# KiCad board panel.kicad_pcb (continued)
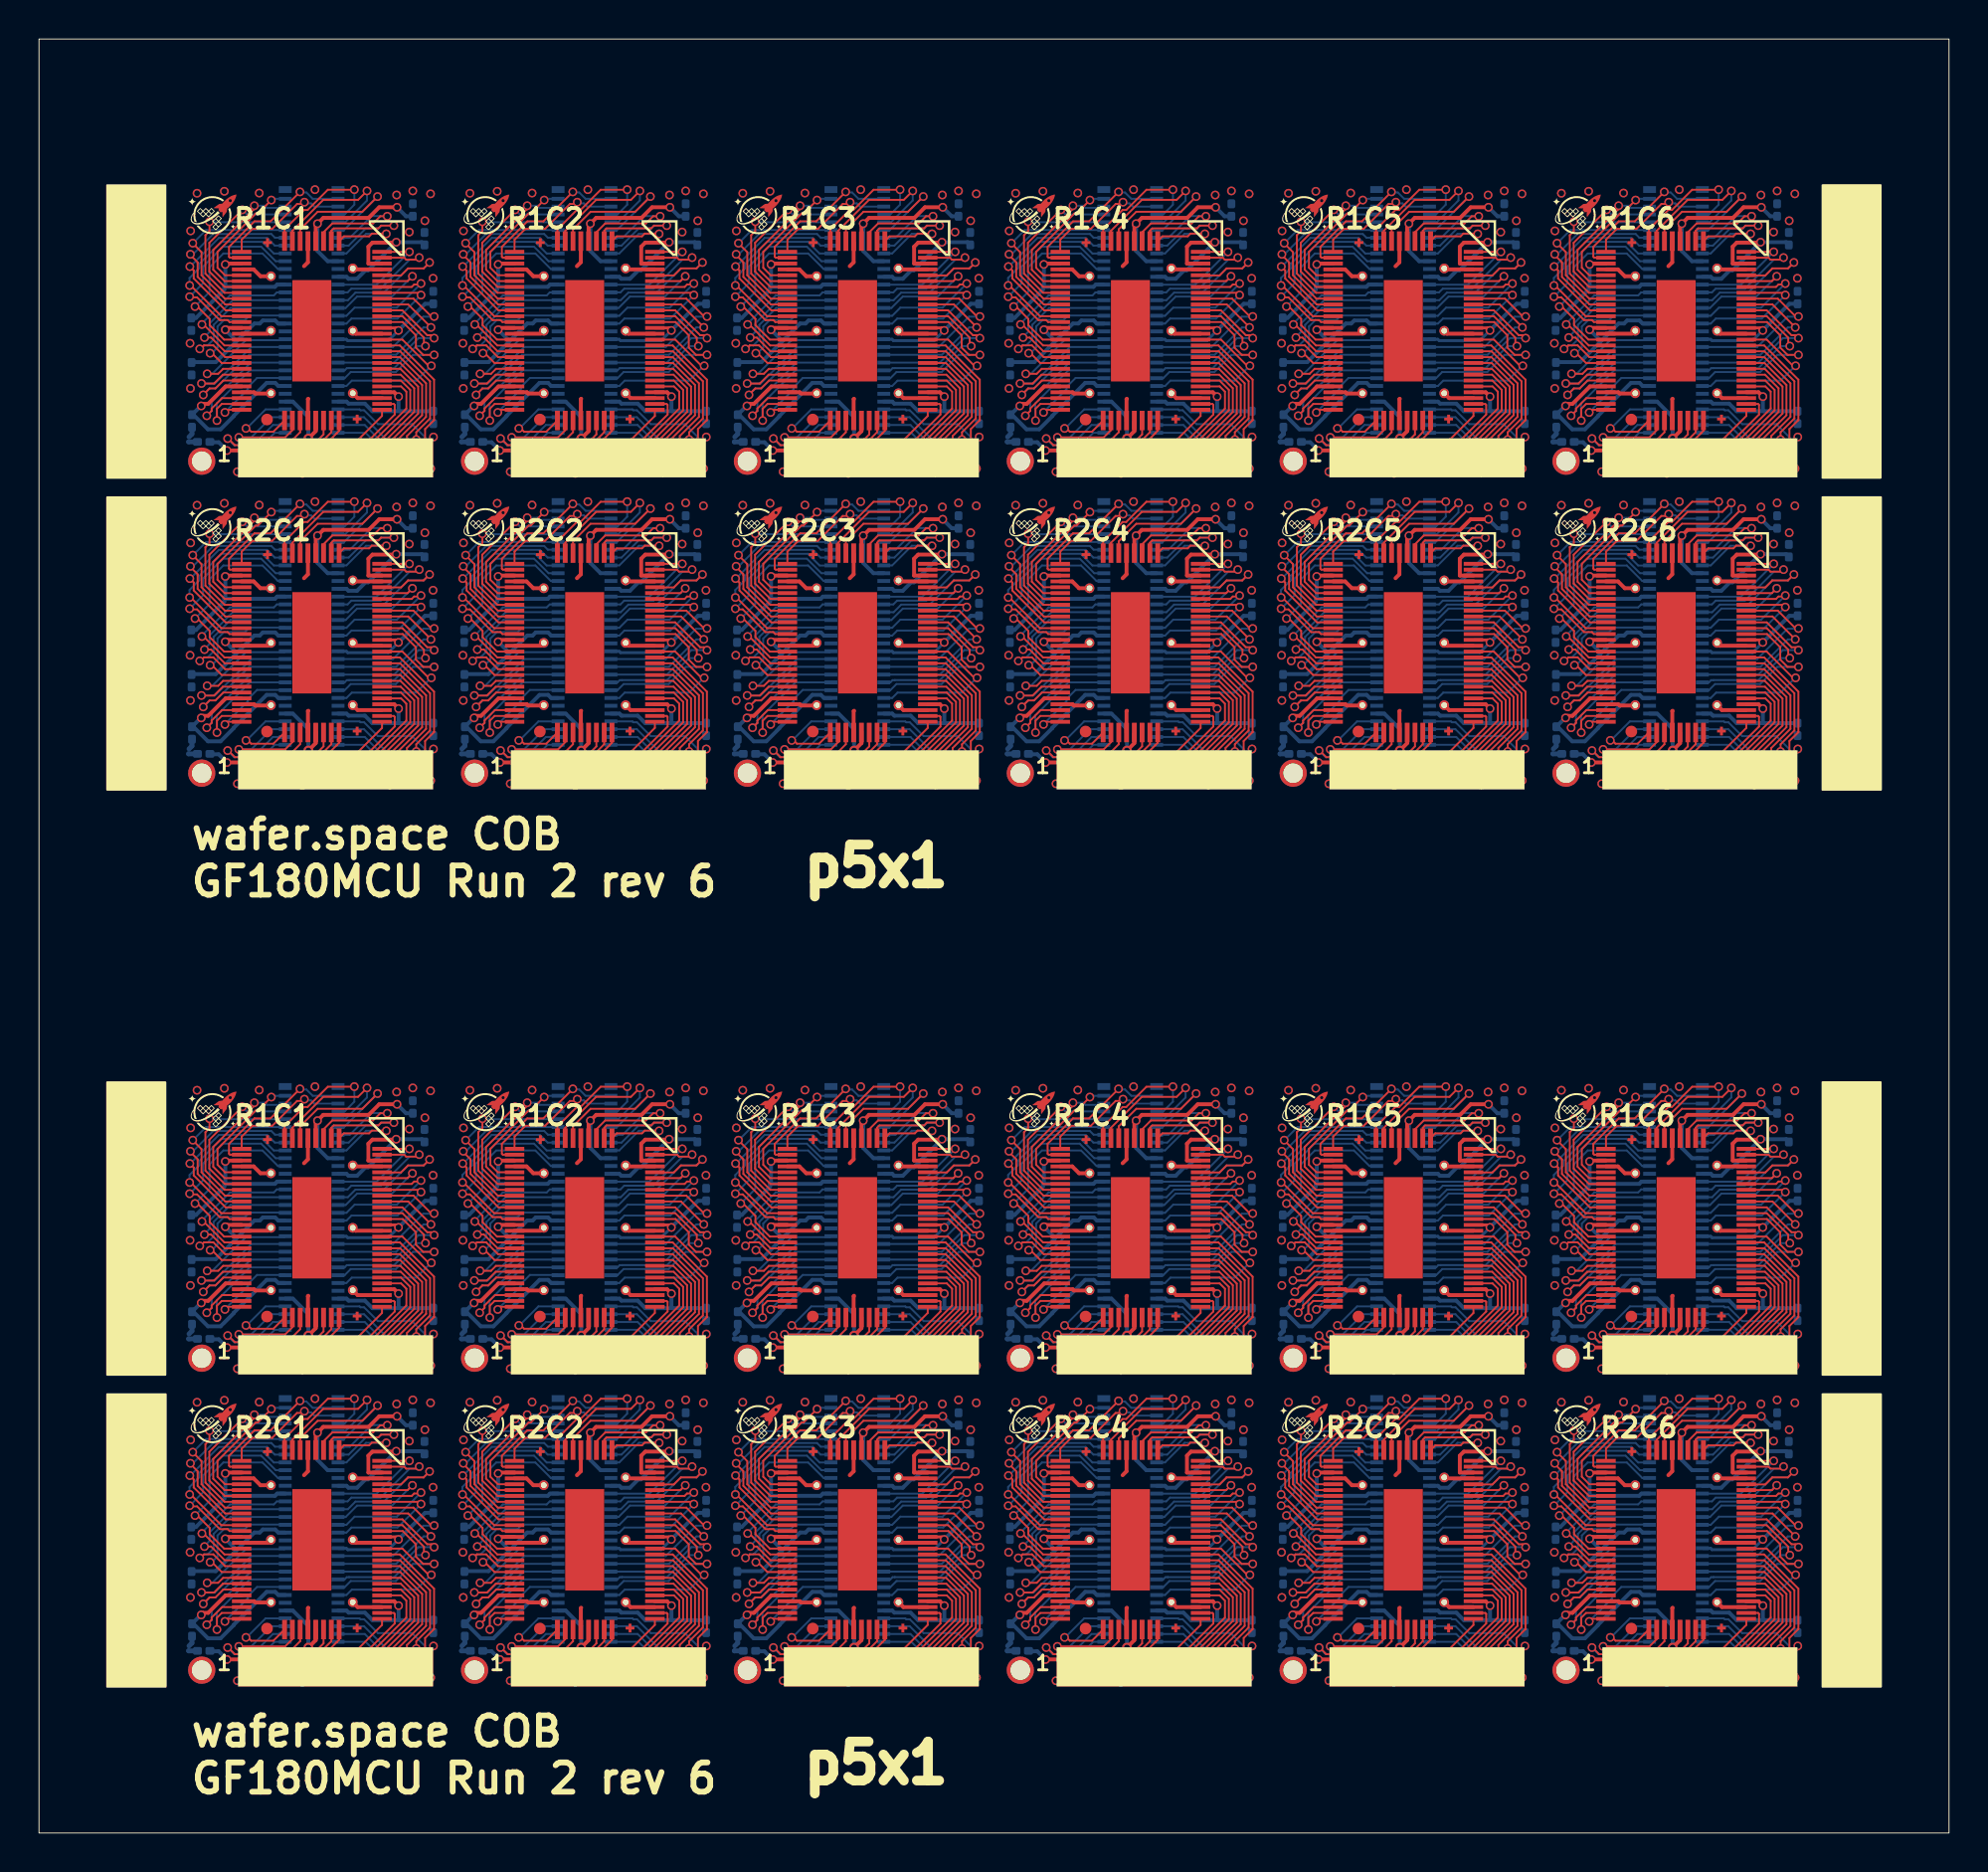
[diagram p0: board, top side]
## Routing (per net, layer and track width the routed paths; a pad name or vN(x,y) marks a point on that pad's centre or on a via; arc(x,y) is an arc through that point) (continued)
/an_0: length 131.4
  Top w0.1: v1(87.82,36.01) 87.81,36.02 87.08,36.02 86.94,35.88 85.64,35.88 U112.37 ; v1(31.82,36.01) 31.81,36.02 31.08,36.02 30.94,35.88 29.64,35.88 U104#2.37 ; U108.37 57.64,35.88 58.94,35.88 59.08,36.02 59.81,36.02 v1(59.82,36.01) ; U120#2.37 57.64,65.88 58.94,65.88 59.08,66.02 59.81,66.02 v1(59.82,66.01) ; v1(31.82,20.01) 31.81,20.02 31.08,20.02 30.94,19.88 29.64,19.88 U116#2.37 ; U118#2.37 43.64,65.88 44.94,65.88 45.08,66.02 45.81,66.02 v1(45.82,66.01) ; U116.37 29.64,65.88 30.94,65.88 31.08,66.02 31.81,66.02 v1(31.82,66.01) ; v1(59.82,20.01) 59.81,20.02 59.08,20.02 58.94,19.88 57.64,19.88 U120.37 ; U122.37 71.64,65.88 72.94,65.88 73.08,66.02 73.81,66.02 v1(73.82,66.01) ; v1(17.82,36.01) 17.81,36.02 17.08,36.02 16.94,35.88 15.64,35.88 U102#2.37 ; U102.37 15.64,81.88 16.94,81.88 17.08,82.02 17.81,82.02 v1(17.82,82.01) ; U108#2.37 57.64,81.88 58.94,81.88 59.08,82.02 59.81,82.02 v1(59.82,82.01) ; v1(17.82,66.01) 17.81,66.02 17.08,66.02 16.94,65.88 15.64,65.88 U114.37 ; v1(73.82,20.01) 73.81,20.02 73.08,20.02 72.94,19.88 71.64,19.88 U122#2.37 ; v1(17.82,20.01) 17.81,20.02 17.08,20.02 16.94,19.88 15.64,19.88 U114#2.37 ; U104.37 29.64,81.88 30.94,81.88 31.08,82.02 31.81,82.02 v1(31.82,82.01) ; U110#2.37 71.64,35.88 72.94,35.88 73.08,36.02 73.81,36.02 v1(73.82,36.01) ; U124#2.37 85.64,65.88 86.94,65.88 87.08,66.02 87.81,66.02 v1(87.82,66.01) ; U106#2.37 43.64,81.88 44.94,81.88 45.08,82.02 45.81,82.02 v1(45.82,82.01) ; U106.37 43.64,35.88 44.94,35.88 45.08,36.02 45.81,36.02 v1(45.82,36.01) ; v1(73.82,82.01) 73.81,82.02 73.08,82.02 72.94,81.88 71.64,81.88 U110.37 ; U112#2.37 85.64,81.88 86.94,81.88 87.08,82.02 87.81,82.02 v1(87.82,82.01) ; U118.37 43.64,19.88 44.94,19.88 45.08,20.02 45.81,20.02 v1(45.82,20.01) ; v1(87.82,20.01) 87.81,20.02 87.08,20.02 86.94,19.88 85.64,19.88 U124.37
  Bottom w0.1: 29.35,65.01 29.78,65.01 30.78,66.01 31.82,66.01 v1(31.82,66.01) ; v1(31.82,36.01) 31.82,36.01 30.78,36.01 29.78,35.01 29.35,35.01 ; 15.35,81.01 15.78,81.01 16.78,82.01 17.82,82.01 v1(17.82,82.01) ; v1(45.82,20.01) 45.82,20.01 44.78,20.01 43.78,19.01 43.35,19.01 ; 71.35,81.01 71.78,81.01 72.78,82.01 73.82,82.01 v1(73.82,82.01) ; 15.35,35.01 15.78,35.01 16.78,36.01 17.82,36.01 v1(17.82,36.01) ; 15.35,65.01 15.78,65.01 16.78,66.01 17.82,66.01 v1(17.82,66.01) ; 85.35,65.01 85.78,65.01 86.78,66.01 87.82,66.01 v1(87.82,66.01) ; v1(45.82,66.01) 45.82,66.01 44.78,66.01 43.78,65.01 43.35,65.01 ; 57.35,35.01 57.78,35.01 58.78,36.01 59.82,36.01 v1(59.82,36.01) ; v1(45.82,36.01) 45.82,36.01 44.78,36.01 43.78,35.01 43.35,35.01 ; v1(59.82,20.01) 59.82,20.01 58.78,20.01 57.78,19.01 57.35,19.01 ; 29.35,81.01 29.78,81.01 30.78,82.01 31.82,82.01 v1(31.82,82.01) ; 43.35,81.01 43.78,81.01 44.78,82.01 45.82,82.01 v1(45.82,82.01) ; v1(87.82,20.01) 87.82,20.01 86.78,20.01 85.78,19.01 85.35,19.01 ; 57.35,65.01 57.78,65.01 58.78,66.01 59.82,66.01 v1(59.82,66.01) ; v1(73.82,20.01) 73.82,20.01 72.78,20.01 71.78,19.01 71.35,19.01 ; 85.35,35.01 85.78,35.01 86.78,36.01 87.82,36.01 v1(87.82,36.01) ; v1(17.82,20.01) 17.82,20.01 16.78,20.01 15.78,19.01 15.35,19.01 ; 71.35,65.01 71.78,65.01 72.78,66.01 73.82,66.01 v1(73.82,66.01) ; 85.35,81.01 85.78,81.01 86.78,82.01 87.82,82.01 v1(87.82,82.01) ; 29.35,19.01 29.78,19.01 30.78,20.01 31.82,20.01 v1(31.82,20.01) ; 57.35,81.01 57.78,81.01 58.78,82.01 59.82,82.01 v1(59.82,82.01) ; 71.35,35.01 71.78,35.01 72.78,36.01 73.82,36.01 v1(73.82,36.01)
/an_1: length 171.4
  Top w0.1: U102#2.38 15,36.17 15.12,36.29 17.41,36.29 17.55,36.43 v1(18.21,36.43) ; v1(46.21,66.43) 45.55,66.43 45.41,66.29 43.12,66.29 43,66.17 U118#2.38 ; v1(88.21,36.43) 87.55,36.43 87.41,36.29 85.12,36.29 85,36.17 U112.38 ; U124#2.38 85,66.17 85.12,66.29 87.41,66.29 87.55,66.43 v1(88.21,66.43) ; U114#2.38 15,20.17 15.12,20.29 17.41,20.29 17.55,20.43 v1(18.21,20.43) ; v1(32.21,20.43) 31.55,20.43 31.41,20.29 29.12,20.29 29,20.17 U116#2.38 ; U110#2.38 71,36.17 71.12,36.29 73.41,36.29 73.55,36.43 v1(74.21,36.43) ; v1(46.21,36.43) 45.55,36.43 45.41,36.29 43.12,36.29 43,36.17 U106.38 ; v1(60.21,20.43) 59.55,20.43 59.41,20.29 57.12,20.29 57,20.17 U120.38 ; v1(18.21,66.43) 17.55,66.43 17.41,66.29 15.12,66.29 15,66.17 U114.38 ; v1(88.21,82.43) 87.55,82.43 87.41,82.29 85.12,82.29 85,82.17 U112#2.38 ; v1(74.21,66.43) 73.55,66.43 73.41,66.29 71.12,66.29 71,66.17 U122.38 ; U116.38 29,66.17 29.12,66.29 31.41,66.29 31.55,66.43 v1(32.21,66.43) ; U104.38 29,82.17 29.12,82.29 31.41,82.29 31.55,82.43 v1(32.21,82.43) ; v1(88.21,20.43) 87.55,20.43 87.41,20.29 85.12,20.29 85,20.17 U124.38 ; v1(60.21,36.43) 59.55,36.43 59.41,36.29 57.12,36.29 57,36.17 U108.38 ; U118.38 43,20.17 43.12,20.29 45.41,20.29 45.55,20.43 v1(46.21,20.43) ; U104#2.38 29,36.17 29.12,36.29 31.41,36.29 31.55,36.43 v1(32.21,36.43) ; v1(46.21,82.43) 45.55,82.43 45.41,82.29 43.12,82.29 43,82.17 U106#2.38 ; v1(74.21,20.43) 73.55,20.43 73.41,20.29 71.12,20.29 71,20.17 U122#2.38 ; U102.38 15,82.17 15.12,82.29 17.41,82.29 17.55,82.43 v1(18.21,82.43) ; U120#2.38 57,66.17 57.12,66.29 59.41,66.29 59.55,66.43 v1(60.21,66.43) ; v1(60.21,82.43) 59.55,82.43 59.41,82.29 57.12,82.29 57,82.17 U108#2.38 ; U110.38 71,82.17 71.12,82.29 73.41,82.29 73.55,82.43 v1(74.21,82.43)
  Bottom w0.1: v1(32.21,82.43) 31.57,82.43 31.43,82.29 30.77,82.29 29.89,81.4 U103#2.42 ; 29.34,65.4 29.89,65.4 30.77,66.29 31.43,66.29 31.57,66.43 v1(32.21,66.43) ; v1(74.21,36.43) 73.57,36.43 73.43,36.29 72.77,36.29 71.89,35.4 71.35,35.4 ; v1(18.21,20.43) 17.57,20.43 17.43,20.29 16.77,20.29 15.89,19.4 15.34,19.4 ; 29.34,35.4 29.89,35.4 30.77,36.29 31.43,36.29 31.57,36.43 v1(32.21,36.43) ; v1(60.21,20.43) 59.57,20.43 59.43,20.29 58.77,20.29 57.89,19.4 57.34,19.4 ; 57.34,35.4 57.89,35.4 58.77,36.29 59.43,36.29 59.57,36.43 v1(60.21,36.43) ; U105.42 43.89,81.4 44.77,82.29 45.43,82.29 45.57,82.43 v1(46.21,82.43) ; v1(18.21,82.43) 17.57,82.43 17.43,82.29 16.77,82.29 15.89,81.4 U101#2.42 ; v1(18.21,66.43) 17.57,66.43 17.43,66.29 16.77,66.29 15.89,65.4 15.34,65.4 ; 71.35,19.4 71.89,19.4 72.77,20.29 73.43,20.29 73.57,20.43 v1(74.21,20.43) ; 85.35,65.4 85.89,65.4 86.77,66.29 87.43,66.29 87.57,66.43 v1(88.21,66.43) ; v1(46.21,66.43) 45.57,66.43 45.43,66.29 44.77,66.29 43.89,65.4 43.34,65.4 ; U111#2.42 85.89,81.4 86.77,82.29 87.43,82.29 87.57,82.43 v1(88.21,82.43) ; v1(74.21,66.43) 73.57,66.43 73.43,66.29 72.77,66.29 71.89,65.4 71.35,65.4 ; U107#2.42 57.89,81.4 58.77,82.29 59.43,82.29 59.57,82.43 v1(60.21,82.43) ; v1(88.21,36.43) 87.57,36.43 87.43,36.29 86.77,36.29 85.89,35.4 85.35,35.4 ; v1(18.21,36.43) 17.57,36.43 17.43,36.29 16.77,36.29 15.89,35.4 15.34,35.4 ; v1(60.21,66.43) 59.57,66.43 59.43,66.29 58.77,66.29 57.89,65.4 57.34,65.4 ; 71.35,81.4 71.89,81.4 72.77,82.29 73.43,82.29 73.57,82.43 v1(74.21,82.43) ; v1(88.21,20.43) 87.57,20.43 87.43,20.29 86.77,20.29 85.89,19.4 85.35,19.4 ; 43.34,35.4 43.89,35.4 44.77,36.29 45.43,36.29 45.57,36.43 v1(46.21,36.43) ; 29.34,19.4 29.89,19.4 30.77,20.29 31.43,20.29 31.57,20.43 v1(32.21,20.43) ; 43.34,19.4 43.89,19.4 44.77,20.29 45.43,20.29 45.57,20.43 v1(46.21,20.43)
/an_2: length 169.3
  Top w0.1: 56.6,81.63 56.6,82.09 57.05,82.54 59.14,82.54 59.51,82.91 v1(59.87,82.91) ; 42.6,81.63 42.6,82.09 43.05,82.54 45.14,82.54 45.51,82.91 v1(45.87,82.91) ; v1(17.87,82.91) 17.51,82.91 17.14,82.54 15.05,82.54 14.6,82.09 14.6,81.63 ; 28.6,81.63 28.6,82.09 29.05,82.54 31.14,82.54 31.51,82.91 v1(31.87,82.91) ; v1(45.87,20.91) 45.51,20.91 45.14,20.54 43.05,20.54 42.6,20.09 42.6,19.63 ; 70.6,19.63 70.6,20.09 71.05,20.54 73.14,20.54 73.51,20.91 v1(73.87,20.91) ; v1(17.87,20.91) 17.51,20.91 17.14,20.54 15.05,20.54 14.6,20.09 14.6,19.63 ; v1(31.87,36.91) 31.51,36.91 31.14,36.54 29.05,36.54 28.6,36.09 28.6,35.63 ; v1(87.87,82.91) 87.51,82.91 87.14,82.54 85.05,82.54 84.6,82.09 84.6,81.63 ; 56.6,65.63 56.6,66.09 57.05,66.54 59.14,66.54 59.51,66.91 v1(59.87,66.91) ; v1(59.87,36.91) 59.51,36.91 59.14,36.54 57.05,36.54 56.6,36.09 56.6,35.63 ; 14.6,35.63 14.6,36.09 15.05,36.54 17.14,36.54 17.51,36.91 v1(17.87,36.91) ; v1(87.87,20.91) 87.51,20.91 87.14,20.54 85.05,20.54 84.6,20.09 84.6,19.63 ; 42.6,35.63 42.6,36.09 43.05,36.54 45.14,36.54 45.51,36.91 v1(45.87,36.91) ; v1(59.87,20.91) 59.51,20.91 59.14,20.54 57.05,20.54 56.6,20.09 56.6,19.63 ; 28.6,65.63 28.6,66.09 29.05,66.54 31.14,66.54 31.51,66.91 v1(31.87,66.91) ; 84.6,35.63 84.6,36.09 85.05,36.54 87.14,36.54 87.51,36.91 v1(87.87,36.91) ; v1(45.87,66.91) 45.51,66.91 45.14,66.54 43.05,66.54 42.6,66.09 42.6,65.63 ; v1(73.87,82.91) 73.51,82.91 73.14,82.54 71.05,82.54 70.6,82.09 70.6,81.63 ; 28.6,19.63 28.6,20.09 29.05,20.54 31.14,20.54 31.51,20.91 v1(31.87,20.91) ; 70.6,65.63 70.6,66.09 71.05,66.54 73.14,66.54 73.51,66.91 v1(73.87,66.91) ; v1(73.87,36.91) 73.51,36.91 73.14,36.54 71.05,36.54 70.6,36.09 70.6,35.63 ; v1(87.87,66.91) 87.51,66.91 87.14,66.54 85.05,66.54 84.6,66.09 84.6,65.63 ; 14.6,65.63 14.6,66.09 15.05,66.54 17.14,66.54 17.51,66.91 v1(17.87,66.91)
  Bottom w0.1: v1(17.87,36.91) 17.86,36.92 17.06,36.92 15.94,35.81 U101.41 ; 71.35,65.81 71.95,65.81 73.06,66.92 73.86,66.92 v1(73.87,66.91) ; U115.41 29.94,19.81 31.06,20.92 31.86,20.92 v1(31.87,20.91) ; U115#2.41 29.94,65.81 31.06,66.92 31.86,66.92 v1(31.87,66.91) ; U117#2.41 43.94,65.81 45.06,66.92 45.86,66.92 v1(45.87,66.91) ; U123.41 85.95,19.81 87.06,20.92 87.86,20.92 v1(87.87,20.91) ; v1(45.87,36.91) 45.86,36.92 45.06,36.92 43.94,35.81 U105#2.41 ; v1(87.87,82.91) 87.86,82.92 87.06,82.92 85.95,81.81 U111#2.41 ; v1(73.87,36.91) 73.86,36.92 73.06,36.92 71.95,35.81 71.35,35.81 ; U103#2.41 29.94,81.81 31.06,82.92 31.86,82.92 v1(31.87,82.91) ; v1(73.87,20.91) 73.86,20.92 73.06,20.92 71.95,19.81 71.35,19.81 ; U113.41 15.94,19.81 17.06,20.92 17.86,20.92 v1(17.87,20.91) ; U119#2.41 57.94,19.81 59.06,20.92 59.86,20.92 v1(59.87,20.91) ; 71.35,81.81 71.95,81.81 73.06,82.92 73.86,82.92 v1(73.87,82.91) ; v1(17.87,66.91) 17.86,66.92 17.06,66.92 15.94,65.81 U113#2.41 ; U103.41 29.94,35.81 31.06,36.92 31.86,36.92 v1(31.87,36.91) ; U117.41 43.94,19.81 45.06,20.92 45.86,20.92 v1(45.87,20.91) ; v1(59.87,82.91) 59.86,82.92 59.06,82.92 57.94,81.81 U107#2.41 ; v1(17.87,82.91) 17.86,82.92 17.06,82.92 15.94,81.81 U101#2.41 ; v1(87.87,66.91) 87.86,66.92 87.06,66.92 85.95,65.81 U123#2.41 ; v1(45.87,82.91) 45.86,82.92 45.06,82.92 43.94,81.81 U105.41 ; v1(59.87,66.91) 59.86,66.92 59.06,66.92 57.94,65.81 U119.41 ; U111.41 85.95,35.81 87.06,36.92 87.86,36.92 v1(87.87,36.91) ; U107.41 57.94,35.81 59.06,36.92 59.86,36.92 v1(59.87,36.91)
/an_3: length 192.2
  Top w0.1: U122#2.42 69.4,20.24 70.3,21.14 72.59,21.14 v1(73.37,21.92) ; U114#2.42 13.4,20.24 14.3,21.14 16.59,21.14 v1(17.37,21.92) ; v1(59.37,83.92) 58.59,83.14 56.3,83.14 55.4,82.24 U108#2.42 ; v1(17.37,67.92) 16.59,67.14 14.3,67.14 13.4,66.24 U114.42 ; U112.42 83.4,36.24 84.3,37.14 86.59,37.14 v1(87.37,37.92) ; v1(31.37,83.92) 30.59,83.14 28.3,83.14 27.4,82.24 U104.42 ; v1(45.37,83.92) 44.59,83.14 42.3,83.14 41.4,82.24 U106#2.42 ; U118.42 41.4,20.24 42.3,21.14 44.59,21.14 v1(45.37,21.92) ; U116.42 27.4,66.24 28.3,67.14 30.59,67.14 v1(31.37,67.92) ; v1(17.37,83.92) 16.59,83.14 14.3,83.14 13.4,82.24 U102.42 ; v1(31.37,21.92) 30.59,21.14 28.3,21.14 27.4,20.24 U116#2.42 ; v1(59.37,37.92) 58.59,37.14 56.3,37.14 55.4,36.24 U108.42 ; U104#2.42 27.4,36.24 28.3,37.14 30.59,37.14 v1(31.37,37.92) ; U110.42 69.4,82.24 70.3,83.14 72.59,83.14 v1(73.37,83.92) ; v1(73.37,67.92) 72.59,67.14 70.3,67.14 69.4,66.24 U122.42 ; U120#2.42 55.4,66.24 56.3,67.14 58.59,67.14 v1(59.37,67.92) ; U118#2.42 41.4,66.24 42.3,67.14 44.59,67.14 v1(45.37,67.92) ; v1(45.37,37.92) 44.59,37.14 42.3,37.14 41.4,36.24 U106.42 ; v1(73.37,37.92) 72.59,37.14 70.3,37.14 69.4,36.24 U110#2.42 ; U112#2.42 83.4,82.24 84.3,83.14 86.59,83.14 v1(87.37,83.92) ; v1(17.37,37.92) 16.59,37.14 14.3,37.14 13.4,36.24 U102#2.42 ; v1(59.37,21.92) 58.59,21.14 56.3,21.14 55.4,20.24 U120.42 ; U124.42 83.4,20.24 84.3,21.14 86.59,21.14 v1(87.37,21.92) ; v1(87.37,67.92) 86.59,67.14 84.3,67.14 83.4,66.24 U124#2.42
  Bottom w0.1: 15.35,20.21 15.66,20.21 v1(17.37,21.92) ; v1(59.37,37.92) 57.66,36.21 57.35,36.21 ; 29.35,36.21 29.66,36.21 v1(31.37,37.92) ; v1(45.37,21.92) 43.66,20.21 43.35,20.21 ; v1(87.37,37.92) 85.65,36.21 85.35,36.21 ; 29.35,66.21 29.66,66.21 v1(31.37,67.92) ; v1(59.37,67.92) 57.66,66.21 57.35,66.21 ; v1(45.37,83.92) 43.66,82.21 43.35,82.21 ; 29.35,20.21 29.66,20.21 v1(31.37,21.92) ; v1(73.37,83.92) 71.65,82.21 71.35,82.21 ; v1(45.37,67.92) 43.66,66.21 43.35,66.21 ; 85.35,82.21 85.65,82.21 v1(87.37,83.92) ; 29.35,82.21 29.66,82.21 v1(31.37,83.92) ; 57.35,20.21 57.66,20.21 v1(59.37,21.92) ; 43.35,36.21 43.66,36.21 v1(45.37,37.92) ; 71.35,36.21 71.65,36.21 v1(73.37,37.92) ; v1(59.37,83.92) 57.66,82.21 57.35,82.21 ; v1(87.37,67.92) 85.65,66.21 85.35,66.21 ; v1(87.37,21.92) 85.65,20.21 85.35,20.21 ; 15.35,66.21 15.66,66.21 v1(17.37,67.92) ; v1(73.37,21.92) 71.65,20.21 71.35,20.21 ; v1(17.37,83.92) 15.66,82.21 15.35,82.21 ; 15.35,36.21 15.66,36.21 v1(17.37,37.92) ; v1(73.37,67.92) 71.65,66.21 71.35,66.21
/an_4: length 183.5
  Top w0.1: v1(16.83,68.21) 16.37,67.75 14.58,67.75 13,66.17 13,65.63 ; 55,19.63 55,20.17 56.58,21.75 58.37,21.75 v1(58.83,22.21) ; 41,35.63 41,36.17 42.58,37.75 44.37,37.75 v1(44.83,38.21) ; v1(16.83,38.21) 16.37,37.75 14.58,37.75 13,36.17 13,35.63 ; 27,19.63 27,20.17 28.58,21.75 30.37,21.75 v1(30.83,22.21) ; 13,81.63 13,82.17 14.58,83.75 16.37,83.75 v1(16.83,84.21) ; 55,65.63 55,66.17 56.58,67.75 58.37,67.75 v1(58.83,68.21) ; 83,19.63 83,20.17 84.58,21.75 86.37,21.75 v1(86.83,22.21) ; v1(72.83,22.21) 72.37,21.75 70.58,21.75 69,20.17 69,19.63 ; 41,19.63 41,20.17 42.58,21.75 44.37,21.75 v1(44.83,22.21) ; 41,81.63 41,82.17 42.58,83.75 44.37,83.75 v1(44.83,84.21) ; 27,65.63 27,66.17 28.58,67.75 30.37,67.75 v1(30.83,68.21) ; v1(16.83,22.21) 16.37,21.75 14.58,21.75 13,20.17 13,19.63 ; v1(72.83,68.21) 72.37,67.75 70.58,67.75 69,66.17 69,65.63 ; v1(44.83,68.21) 44.37,67.75 42.58,67.75 41,66.17 41,65.63 ; v1(58.83,38.21) 58.37,37.75 56.58,37.75 55,36.17 55,35.63 ; 27,35.63 27,36.17 28.58,37.75 30.37,37.75 v1(30.83,38.21) ; 83,81.63 83,82.17 84.58,83.75 86.37,83.75 v1(86.83,84.21) ; v1(86.83,68.21) 86.37,67.75 84.58,67.75 83,66.17 83,65.63 ; v1(72.83,84.21) 72.37,83.75 70.58,83.75 69,82.17 69,81.63 ; 83,35.63 83,36.17 84.58,37.75 86.37,37.75 v1(86.83,38.21) ; v1(72.83,38.21) 72.37,37.75 70.58,37.75 69,36.17 69,35.63 ; 55,81.63 55,82.17 56.58,83.75 58.37,83.75 v1(58.83,84.21) ; 27,81.63 27,82.17 28.58,83.75 30.37,83.75 v1(30.83,84.21)
  Bottom w0.1: 71.35,36.6 71.71,36.6 72.83,37.72 v1(72.83,38.21) ; U115#2.39 29.71,66.6 30.83,67.72 v1(30.83,68.21) ; U123.39 85.71,20.6 86.83,21.72 v1(86.83,22.21) ; U107#2.39 57.71,82.6 58.83,83.72 v1(58.83,84.21) ; U123#2.39 85.71,66.6 86.83,67.72 v1(86.83,68.21) ; v1(44.83,84.21) 44.83,83.72 43.71,82.6 U105.39 ; U105#2.39 43.71,36.6 44.83,37.72 v1(44.83,38.21) ; U119#2.39 57.71,20.6 58.83,21.72 v1(58.83,22.21) ; v1(72.83,84.21) 72.83,83.72 71.71,82.6 71.35,82.6 ; U107.39 57.71,36.6 58.83,37.72 v1(58.83,38.21) ; U111#2.39 85.71,82.6 86.83,83.72 v1(86.83,84.21) ; v1(72.83,22.21) 72.83,21.72 71.71,20.6 71.35,20.6 ; v1(16.83,38.21) 16.83,37.72 15.71,36.6 U101.39 ; v1(44.83,68.21) 44.83,67.72 43.71,66.6 U117#2.39 ; v1(44.83,22.21) 44.83,21.72 43.71,20.6 U117.39 ; U101#2.39 15.71,82.6 16.83,83.72 v1(16.83,84.21) ; U103.39 29.71,36.6 30.83,37.72 v1(30.83,38.21) ; U103#2.39 29.71,82.6 30.83,83.72 v1(30.83,84.21) ; v1(30.83,22.21) 30.83,21.72 29.71,20.6 U115.39 ; U113#2.39 15.71,66.6 16.83,67.72 v1(16.83,68.21) ; v1(86.83,38.21) 86.83,37.72 85.71,36.6 U111.39 ; v1(58.83,68.21) 58.83,67.72 57.71,66.6 U119.39 ; v1(72.83,68.21) 72.83,67.72 71.71,66.6 71.35,66.6 ; U113.39 15.71,20.6 16.83,21.72 v1(16.83,22.21)
/an_5: length 164.1
  Top w0.1: v1(86.18,84.28) 86.17,84.27 84.82,84.27 83.78,83.23 83.6,83.23 82.6,82.24 U112#2.44 ; v1(72.18,68.28) 72.17,68.27 70.82,68.27 69.78,67.23 69.6,67.23 68.6,66.24 U122.44 ; v1(16.18,38.28) 16.17,38.27 14.82,38.27 13.78,37.23 13.6,37.23 12.6,36.24 U102#2.44 ; U114#2.44 12.6,20.24 13.6,21.23 13.78,21.23 14.82,22.27 16.17,22.27 v1(16.18,22.28) ; U124#2.44 82.6,66.24 83.6,67.23 83.78,67.23 84.82,68.27 86.17,68.27 v1(86.18,68.28) ; U106#2.44 40.6,82.24 41.6,83.23 41.78,83.23 42.82,84.27 44.17,84.27 v1(44.18,84.28) ; v1(86.18,38.28) 86.17,38.27 84.82,38.27 83.78,37.23 83.6,37.23 82.6,36.24 U112.44 ; v1(58.18,22.28) 58.17,22.27 56.82,22.27 55.78,21.23 55.6,21.23 54.6,20.24 U120.44 ; U118#2.44 40.6,66.24 41.6,67.23 41.78,67.23 42.82,68.27 44.17,68.27 v1(44.18,68.28) ; U122#2.44 68.6,20.24 69.6,21.23 69.78,21.23 70.82,22.27 72.17,22.27 v1(72.18,22.28) ; v1(58.18,84.28) 58.17,84.27 56.82,84.27 55.78,83.23 55.6,83.23 54.6,82.24 U108#2.44 ; U102.44 12.6,82.24 13.6,83.23 13.78,83.23 14.82,84.27 16.17,84.27 v1(16.18,84.28) ; U104.44 26.6,82.24 27.6,83.23 27.78,83.23 28.82,84.27 30.17,84.27 v1(30.18,84.28) ; U110.44 68.6,82.24 69.6,83.23 69.78,83.23 70.82,84.27 72.17,84.27 v1(72.18,84.28) ; U116.44 26.6,66.24 27.6,67.23 27.78,67.23 28.82,68.27 30.17,68.27 v1(30.18,68.28) ; v1(30.18,22.28) 30.17,22.27 28.82,22.27 27.78,21.23 27.6,21.23 26.6,20.24 U116#2.44 ; U118.44 40.6,20.24 41.6,21.23 41.78,21.23 42.82,22.27 44.17,22.27 v1(44.18,22.28) ; U106.44 40.6,36.24 41.6,37.23 41.78,37.23 42.82,38.27 44.17,38.27 v1(44.18,38.28) ; v1(58.18,68.28) 58.17,68.27 56.82,68.27 55.78,67.23 55.6,67.23 54.6,66.24 U120#2.44 ; v1(58.18,38.28) 58.17,38.27 56.82,38.27 55.78,37.23 55.6,37.23 54.6,36.24 U108.44 ; v1(72.18,38.28) 72.17,38.27 70.82,38.27 69.78,37.23 69.6,37.23 68.6,36.24 U110#2.44 ; U104#2.44 26.6,36.24 27.6,37.23 27.78,37.23 28.82,38.27 30.17,38.27 v1(30.18,38.28) ; v1(16.18,68.28) 16.17,68.27 14.82,68.27 13.78,67.23 13.6,67.23 12.6,66.24 U114.44 ; v1(86.18,22.28) 86.17,22.27 84.82,22.27 83.78,21.23 83.6,21.23 82.6,20.24 U124.44
  Bottom w0.1: v1(16.18,68.28) 16.18,67.5 15.68,67.01 U113#2.38 ; 71.35,37.01 71.68,37.01 72.18,37.5 v1(72.18,38.28) ; v1(58.18,22.28) 58.18,21.5 57.68,21.01 U119#2.38 ; v1(16.18,84.28) 16.18,83.5 15.68,83.01 U101#2.38 ; v1(30.18,84.28) 30.18,83.5 29.68,83.01 U103#2.38 ; U115#2.38 29.68,67.01 30.18,67.5 v1(30.18,68.28) ; v1(86.18,84.28) 86.18,83.5 85.68,83.01 U111#2.38 ; U107#2.38 57.68,83.01 58.18,83.5 v1(58.18,84.28) ; U105#2.38 43.68,37.01 44.18,37.5 v1(44.18,38.28) ; v1(30.18,22.28) 30.18,21.5 29.68,21.01 U115.38 ; v1(16.18,22.28) 16.18,21.5 15.68,21.01 U113.38 ; v1(86.18,38.28) 86.18,37.5 85.68,37.01 U111.38 ; U119.38 57.68,67.01 58.18,67.5 v1(58.18,68.28) ; v1(72.18,84.28) 72.18,83.5 71.68,83.01 71.35,83.01 ; U101.38 15.68,37.01 16.18,37.5 v1(16.18,38.28) ; U103.38 29.68,37.01 30.18,37.5 v1(30.18,38.28) ; U107.38 57.68,37.01 58.18,37.5 v1(58.18,38.28) ; U117#2.38 43.68,67.01 44.18,67.5 v1(44.18,68.28) ; v1(72.18,68.28) 72.18,67.5 71.68,67.01 71.35,67.01 ; U105.38 43.68,83.01 44.18,83.5 v1(44.18,84.28) ; U123#2.38 85.68,67.01 86.18,67.5 v1(86.18,68.28) ; v1(86.18,22.28) 86.18,21.5 85.68,21.01 U123.38 ; v1(72.18,22.28) 72.18,21.5 71.68,21.01 71.35,21.01 ; v1(44.18,22.28) 44.18,21.5 43.68,21.01 U117.38
/bidir_0: length 148.9
  Top w0.1: U104#2.9 31.6,26.67 29.45,24.52 v1(28.58,24.52) ; v1(14.58,24.52) 15.45,24.52 17.6,26.67 U102#2.9 ; v1(42.58,54.52) 43.45,54.52 45.6,56.67 U118#2.9 ; v1(42.58,24.52) 43.45,24.52 45.6,26.67 U106.9 ; U114.9 17.6,56.67 15.45,54.52 v1(14.58,54.52) ; 31.6,72.99 31.6,72.67 29.45,70.52 v1(28.58,70.52) ; v1(42.58,8.52) 43.45,8.52 45.6,10.67 U118.9 ; 45.6,72.99 45.6,72.67 43.45,70.52 v1(42.58,70.52) ; v1(70.58,24.52) 71.45,24.52 73.6,26.67 U110#2.9 ; v1(28.58,54.52) 29.45,54.52 31.6,56.67 U116.9 ; U122.9 73.6,56.67 71.45,54.52 v1(70.58,54.52) ; 59.6,72.99 59.6,72.67 57.45,70.52 v1(56.58,70.52) ; U120#2.9 59.6,56.67 57.45,54.52 v1(56.58,54.52) ; v1(70.58,8.52) 71.45,8.52 73.6,10.67 U122#2.9 ; v1(28.58,8.52) 29.45,8.52 31.6,10.67 U116#2.9 ; v1(56.58,8.52) 57.45,8.52 59.6,10.67 U120.9 ; v1(14.58,8.52) 15.45,8.52 17.6,10.67 U114#2.9 ; v1(84.58,24.52) 85.45,24.52 87.6,26.67 U112.9 ; v1(56.58,24.52) 57.45,24.52 59.6,26.67 U108.9 ; U124#2.9 87.6,56.67 85.45,54.52 v1(84.58,54.52) ; v1(70.58,70.52) 71.45,70.52 73.6,72.67 73.6,72.99 ; 87.6,72.99 87.6,72.67 85.45,70.52 v1(84.58,70.52) ; v1(14.58,70.52) 15.45,70.52 17.6,72.67 17.6,72.99 ; U124.9 87.6,10.67 85.45,8.52 v1(84.58,8.52)
  Bottom w0.1: 26.64,8.61 28.08,8.61 28.16,8.52 v1(28.58,8.52) ; v1(14.58,24.52) 14.16,24.52 14.08,24.61 12.64,24.61 ; 40.64,8.61 42.08,8.61 42.16,8.52 v1(42.58,8.52) ; v1(56.58,70.52) 56.16,70.52 56.08,70.61 54.64,70.61 ; v1(42.58,54.52) 42.16,54.52 42.08,54.61 40.64,54.61 ; v1(28.58,54.52) 28.16,54.52 28.08,54.61 26.64,54.61 ; U111.2 84.08,24.61 84.16,24.52 v1(84.58,24.52) ; 54.64,8.61 56.08,8.61 56.16,8.52 v1(56.58,8.52) ; v1(56.58,54.52) 56.16,54.52 56.08,54.61 54.64,54.61 ; v1(14.58,54.52) 14.16,54.52 14.08,54.61 12.64,54.61 ; v1(56.58,24.52) 56.16,24.52 56.08,24.61 54.64,24.61 ; v1(84.58,8.52) 84.16,8.52 84.08,8.61 U123.2 ; v1(28.58,24.52) 28.16,24.52 28.08,24.61 26.64,24.61 ; 26.64,70.61 28.08,70.61 28.16,70.52 v1(28.58,70.52) ; 68.64,8.61 70.08,8.61 70.16,8.52 v1(70.58,8.52) ; 40.64,70.61 42.08,70.61 42.16,70.52 v1(42.58,70.52) ; 12.64,8.61 14.08,8.61 14.16,8.52 v1(14.58,8.52) ; 68.64,54.61 70.08,54.61 70.16,54.52 v1(70.58,54.52) ; v1(84.58,70.52) 84.16,70.52 84.08,70.61 U111#2.2 ; v1(70.58,24.52) 70.16,24.52 70.08,24.61 68.64,24.61 ; 12.64,70.61 14.08,70.61 14.16,70.52 v1(14.58,70.52) ; 40.64,24.61 42.08,24.61 42.16,24.52 v1(42.58,24.52) ; v1(84.58,54.52) 84.16,54.52 84.08,54.61 U123#2.2 ; 68.64,70.61 70.08,70.61 70.16,70.52 v1(70.58,70.52)
/bidir_1: length 192.4
  Top w0.1: U108.10 60.21,27.29 60.25,27.24 60.25,26.74 57.5,23.99 56.37,23.99 v1(56.36,23.99) ; v1(70.36,23.99) 70.37,23.99 71.5,23.99 74.25,26.74 74.25,27.24 74.21,27.29 U110#2.10 ; v1(42.36,69.99) 42.37,69.99 43.5,69.99 46.25,72.74 46.25,73.24 46.21,73.29 U106#2.10 ; v1(28.36,7.99) 28.37,7.99 29.5,7.99 32.25,10.74 32.25,11.24 32.21,11.29 U116#2.10 ; v1(28.36,23.99) 28.37,23.99 29.5,23.99 32.25,26.74 32.25,27.24 32.21,27.29 U104#2.10 ; U124.10 88.21,11.29 88.25,11.24 88.25,10.74 85.5,7.99 84.37,7.99 v1(84.36,7.99) ; U122#2.10 74.21,11.29 74.25,11.24 74.25,10.74 71.5,7.99 70.37,7.99 v1(70.36,7.99) ; U122.10 74.21,57.29 74.25,57.24 74.25,56.74 71.5,53.99 70.37,53.99 v1(70.36,53.99) ; U106.10 46.21,27.29 46.25,27.24 46.25,26.74 43.5,23.99 42.37,23.99 v1(42.36,23.99) ; v1(14.36,23.99) 14.37,23.99 15.5,23.99 18.25,26.74 18.25,27.24 18.21,27.29 U102#2.10 ; v1(56.36,7.99) 56.37,7.99 57.5,7.99 60.25,10.74 60.25,11.24 60.21,11.29 U120.10 ; v1(14.36,7.99) 14.37,7.99 15.5,7.99 18.25,10.74 18.25,11.24 18.21,11.29 U114#2.10 ; v1(14.36,53.99) 14.37,53.99 15.5,53.99 18.25,56.74 18.25,57.24 18.21,57.29 U114.10 ; U120#2.10 60.21,57.29 60.25,57.24 60.25,56.74 57.5,53.99 56.37,53.99 v1(56.36,53.99) ; U108#2.10 60.21,73.29 60.25,73.24 60.25,72.74 57.5,69.99 56.37,69.99 v1(56.36,69.99) ; U102.10 18.21,73.29 18.25,73.24 18.25,72.74 15.5,69.99 14.37,69.99 v1(14.36,69.99) ; v1(28.36,53.99) 28.37,53.99 29.5,53.99 32.25,56.74 32.25,57.24 32.21,57.29 U116.10 ; v1(84.36,53.99) 84.37,53.99 85.5,53.99 88.25,56.74 88.25,57.24 88.21,57.29 U124#2.10 ; U118#2.10 46.21,57.29 46.25,57.24 46.25,56.74 43.5,53.99 42.37,53.99 v1(42.36,53.99) ; U112#2.10 88.21,73.29 88.25,73.24 88.25,72.74 85.5,69.99 84.37,69.99 v1(84.36,69.99) ; v1(84.36,23.99) 84.37,23.99 85.5,23.99 88.25,26.74 88.25,27.24 88.21,27.29 U112.10 ; v1(28.36,69.99) 28.37,69.99 29.5,69.99 32.25,72.74 32.25,73.24 32.21,73.29 U104.10 ; U118.10 46.21,11.29 46.25,11.24 46.25,10.74 43.5,7.99 42.37,7.99 v1(42.36,7.99) ; U110.10 74.21,73.29 74.25,73.24 74.25,72.74 71.5,69.99 70.37,69.99 v1(70.36,69.99)
  Bottom w0.1: v1(42.36,7.99) 42.15,8.21 40.64,8.21 ; 12.64,24.21 14.15,24.21 v1(14.36,23.99) ; 12.64,54.21 14.15,54.21 v1(14.36,53.99) ; v1(42.36,69.99) 42.15,70.21 40.64,70.21 ; v1(84.36,23.99) 84.15,24.21 82.64,24.21 ; v1(56.36,53.99) 56.15,54.21 54.64,54.21 ; 12.64,8.21 14.15,8.21 v1(14.36,7.99) ; v1(14.36,69.99) 14.15,70.21 12.64,70.21 ; 54.64,70.21 56.15,70.21 v1(56.36,69.99) ; 54.64,24.21 56.15,24.21 v1(56.36,23.99) ; v1(28.36,23.99) 28.15,24.21 26.64,24.21 ; v1(84.36,53.99) 84.15,54.21 82.64,54.21 ; 26.64,54.21 28.15,54.21 v1(28.36,53.99) ; 68.64,54.21 70.15,54.21 v1(70.36,53.99) ; v1(56.36,7.99) 56.15,8.21 54.64,8.21 ; 68.64,8.21 70.15,8.21 v1(70.36,7.99) ; 82.64,8.21 84.15,8.21 v1(84.36,7.99) ; v1(70.36,23.99) 70.15,24.21 68.64,24.21 ; U111#2.1 84.15,70.21 v1(84.36,69.99) ; v1(42.36,53.99) 42.15,54.21 40.64,54.21 ; 68.64,70.21 70.15,70.21 v1(70.36,69.99) ; 26.64,8.21 28.15,8.21 v1(28.36,7.99) ; 40.64,24.21 42.15,24.21 v1(42.36,23.99) ; v1(28.36,69.99) 28.15,70.21 26.64,70.21
/bidir_2: length 174.6
  Top w0.1: U102.13 18.58,74.19 18.85,73.91 18.85,73.05 16.18,70.38 v1(16.18,70.02) ; 73.6,58.19 74.58,58.19 74.85,57.91 74.85,57.05 72.18,54.38 v1(72.18,54.02) ; v1(72.18,8.02) 72.18,8.38 74.85,11.05 74.85,11.91 74.58,12.19 73.6,12.19 ; v1(58.18,70.02) 58.18,70.38 60.85,73.05 60.85,73.91 60.58,74.19 U108#2.13 ; U112#2.13 88.58,74.19 88.85,73.91 88.85,73.05 86.18,70.38 v1(86.18,70.02) ; 17.6,12.19 18.58,12.19 18.85,11.91 18.85,11.05 16.18,8.38 v1(16.18,8.02) ; v1(30.18,8.02) 30.18,8.38 32.85,11.05 32.85,11.91 32.58,12.19 31.6,12.19 ; 45.6,58.19 46.58,58.19 46.85,57.91 46.85,57.05 44.18,54.38 v1(44.18,54.02) ; v1(16.18,24.02) 16.18,24.38 18.85,27.05 18.85,27.91 18.58,28.19 17.6,28.19 ; 59.6,12.19 60.58,12.19 60.85,11.91 60.85,11.05 58.18,8.38 v1(58.18,8.02) ; v1(44.18,8.02) 44.18,8.38 46.85,11.05 46.85,11.91 46.58,12.19 45.6,12.19 ; 87.6,58.19 88.58,58.19 88.85,57.91 88.85,57.05 86.18,54.38 v1(86.18,54.02) ; 59.6,28.19 60.58,28.19 60.85,27.91 60.85,27.05 58.18,24.38 v1(58.18,24.02) ; v1(86.18,8.02) 86.18,8.38 88.85,11.05 88.85,11.91 88.58,12.19 87.6,12.19 ; v1(30.18,70.02) 30.18,70.38 32.85,73.05 32.85,73.91 32.58,74.19 U104.13 ; v1(86.18,24.02) 86.18,24.38 88.85,27.05 88.85,27.91 88.58,28.19 87.6,28.19 ; v1(44.18,70.02) 44.18,70.38 46.85,73.05 46.85,73.91 46.58,74.19 U106#2.13 ; 31.6,58.19 32.58,58.19 32.85,57.91 32.85,57.05 30.18,54.38 v1(30.18,54.02) ; v1(58.18,54.02) 58.18,54.38 60.85,57.05 60.85,57.91 60.58,58.19 59.6,58.19 ; 31.6,28.19 32.58,28.19 32.85,27.91 32.85,27.05 30.18,24.38 v1(30.18,24.02) ; U110.13 74.58,74.19 74.85,73.91 74.85,73.05 72.18,70.38 v1(72.18,70.02) ; 73.6,28.19 74.58,28.19 74.85,27.91 74.85,27.05 72.18,24.38 v1(72.18,24.02) ; 17.6,58.19 18.58,58.19 18.85,57.91 18.85,57.05 16.18,54.38 v1(16.18,54.02) ; 45.6,28.19 46.58,28.19 46.85,27.91 46.85,27.05 44.18,24.38 v1(44.18,24.02)